# KiCad board mist.kicad_pcb (continued)
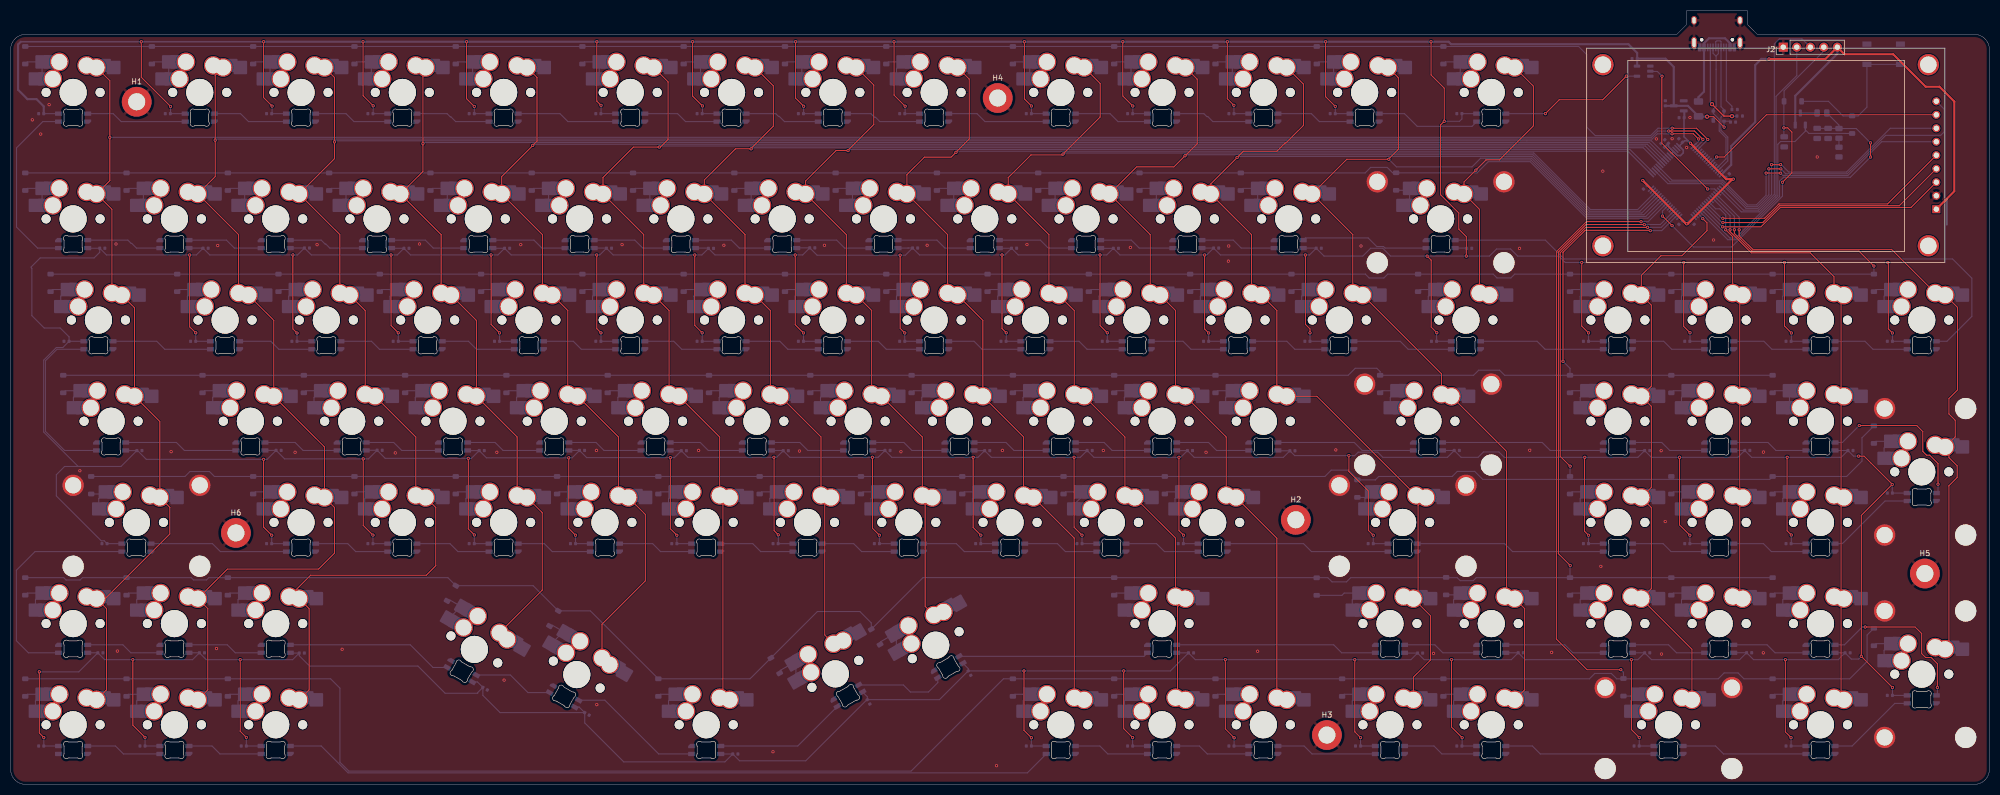
[diagram p0: board, top side]
## Routing (per net, layer and track width the routed paths; a pad name or vN(x,y) marks a point on that pad's centre or on a via; arc(x,y) is an arc through that point) (continued)
GND: length 0.1
  Bottom w0.4: 325.72,125.87 R1.1 ; 308.38,135.26 U6.1 ; 324.77,127.03 R2.2
  vias: v1(4.09,125.12) v1(5.65,122.45) v1(7.24,127.99) v1(13.02,59.05) v1(19.82,101.74) v1(20.08,25.1) v1(30.18,62.65) v1(38.72,25.57) v1(38.95,101.46) v1(53.49,62.53) v1(57.63,101.63) v1(62.34,25.43) v1(72.34,62.41) v1(76.9,101.75) v1(91.43,62.53) v1(92.8,19.63) v1(95.94,101.63) v1(110.17,62.88) v1(110.24,15.02) v1(114.98,101.63) v1(129.38,62.88) v1(134.14,101.51) v1(143.37,6.14) v1(148.35,62.76) v1(153.05,101.51) v1(167.44,62.64) v1(172.36,101.51) v1(185.41,3.51) v1(186.52,62.88) v1(191.13,101.65) v1(205.49,62.88) v1(210.58,101.1) v1(224.81,62.53) v1(229.07,101.37) v1(229.02,98.52) v1(234.51,25.07) v1(249.22,62.97) v1(253.97,101.37) v1(267.59,24.67) v1(283.76,100.92) v1(285.69,62.91) v1(289.81,24.86) v1(299.06,41.04) v1(299.43,115.47) v1(309.5,121.53) v1(310.4,62.82) v1(310.46,24.54) v1(311.16,49.49) v1(312.46,121.57) v1(315.2,119.91) v1(315.82,125.57) v1(320.26,102.5) v1(329.64,62.56) v1(329.62,24.76) v1(339.75,118.13)
VBUS: length 17.8
  Bottom w0.4: J1.A4 318.46,130.44 317.42,129.4 F1.1 ; 323.36,138.8 323.36,139.53 322.41,140.48 319.39,140.48 318.46,139.55 318.46,138.8
BOOT0: length 60.3
  Top w0.2: v1(349.78,118.12) v1(349.78,120.79)
  Bottom w0.2: v1(349.78,120.79) 347.08,123.49 R8.2 ; R7.2 343.84,124.13 R8.2 ; U5.61 322.94,102.55 324.53,102.55 332.13,110.15 332.14,110.15 332.67,110.68 332.67,113.57 333.41,114.31 345.97,114.31 v1(349.78,118.12) ; R8.2 343.81,123.52 C120.2 C121.2
BOOT0_CHRG: length 47
  Bottom w0.2: U5.60 323.32,102.88 324.39,102.88 331.99,110.48 332,110.48 332.34,110.82 332.34,120.52 332.86,121.04 335.56,121.04 337.52,123 Q3.1 337.52,123.24 338.19,122.57 345.02,122.57 345.03,122.56 D40.2
col0: length 436.8
  Top w0.2: CH29.1 23.3,89.74 CH47.1 28.06,68.31 CH63.1 29.94,52.14 29.94,47.14 17.77,34.97 CH79.1 18.03,33.09 18.03,17.8 CH93.1 ; v1(311.82,123.02) 312.22,123.02 312.23,123.03 316.67,123.03 v1(318.25,121.44) ; CH29.1 19.05,108.28 CH15.1 18.66,113.68 v1(18.66,121.83) 18.66,132.48 CH1.1
  Bottom w0.2: v1(311.82,123.02) 309.74,123.02 308.56,121.83 v1(18.66,121.83) ; v1(318.25,121.44) 318.25,121.21 U5.34
col1: length 434.3
  Top w0.2: CH94.1 37.08,17.8 37.08,33.09 CH80.1 40.77,40.54 57.91,40.54 60.9,43.53 60.9,52.14 CH64.1 59.02,63.55 CH48.1 49.49,87.36 CH30.1 ; CH30.1 42.86,103.51 CH16.1 38.47,114.44 v1(38.47,121.3) 38.47,133.49 CH2.1 ; v1(312.45,122.5) 316.45,122.5 v1(317.44,121.51)
  Bottom w0.2: v1(317.44,121.51) 317.44,121.1 U5.33 ; v1(312.45,122.5) 312.44,122.49 309.68,122.49 308.69,121.5 38.67,121.5 v1(38.47,121.3)
col2: length 407.2
  Top w0.2: CH65.1 76.2,65.41 CH49.1 ; CH81.1 56.13,33.09 56.13,17.8 CH95.1 ; CH81.1 56.42,39.39 78.18,39.39 79.95,41.16 79.95,52.14 CH65.1 ; CH31.1 61.91,103.51 CH17.1 60.9,117.82 v1(60.9,120.98) 60.9,133.11 CH3.1 ; CH49.1 66.68,89.23 CH31.1
  Bottom w0.2: U5.26 308.56,121.18 61.1,121.18 v1(60.9,120.98)
col3: length 355.6
  Top w0.2: CH32.1 87.59,87.36 CH50.1 95.25,65.41 CH66.1 ; CH32.1 80.96,103.51 CH18.1 77.54,115.41 v1(77.54,120.65) 77.54,134.46 CH4.1 ; CH82.1 99.98,36.58 99.98,51.16 CH66.1
  Bottom w0.2: v1(77.54,120.65) 77.74,120.85 308.18,120.85 U5.25
col4: length 340
  Top w0.2: CH83.1 111.21,30.17 119.36,38.32 119.36,50.83 CH67.1 ; CH33.1 104.78,89.23 CH51.1 ; CH51.1 114.3,65.41 CH67.1 ; 100.01,92.51 100.01,103.51 CH19.1 92.35,114.46 98.19,120.29 v1(98.19,120.32) 99,121.13 99,133.11 CH5.1
  Bottom w0.2: U5.24 307.8,120.52 98.39,120.52 v1(98.19,120.32)
col5: length 325
  Top w0.2: CH84.1 133.95,16.91 133.95,52.76 CH68.1 ; CH68.1 133.35,65.41 CH52.1 ; CH34.1 123.83,89.23 CH52.1 ; CH34.1 119.06,103.51 CH20.1 111.4,114.28 117.12,120 v1(121.99,120) 122.18,120 123.64,121.45 123.64,132.28 CH6.1
  Bottom w0.2: U5.23 307.42,120.2 122.19,120.2 v1(121.99,120)
col6: length 297
  Top w0.2: CH53.1 142.88,89.23 CH35.1 ; CH53.1 152.4,65.41 CH69.1 ; CH7.1 143.43,131.54 143.43,123.92 139.26,119.75 v1(139.26,119.67) 136.31,119.67 130.45,113.82 CH21.1 138.11,103.51 CH35.1 ; CH69.1 153.1,52.86 153.1,28.13 CH85.1
  Bottom w0.2: v1(139.26,119.67) 139.46,119.87 307.04,119.87 U5.22
col7: length 272
  Top w0.2: CH54.1 161.93,89.23 CH36.1 ; CH70.1 171.45,65.41 CH54.1 ; CH70.1 171.98,52.69 171.98,33.53 CH86.1 ; CH8.1 162.33,131.69 162.33,124.26 157.49,119.42 v1(157.49,119.34) 155.23,119.34 149.5,113.62 CH22.1 157.16,103.51 CH36.1
  Bottom w0.2: v1(157.49,119.34) 157.69,119.54 304.54,119.54 U5.18
col8: length 270.7
  Top w0.2: CH71.1 190.5,65.41 CH55.1 182.84,87.36 CH37.1 ; CH37.1 176.21,103.51 CH23.1 168.55,114.81 171.85,118.1 176.86,118.1 v1(177.78,119.01) 177.78,119.03 180.27,121.52 180.27,132.8 CH9.1 ; CH96.1 200.03,46.36 CH71.1
  Bottom w0.2: U5.17 304.16,119.21 177.98,119.21 v1(177.78,119.01)
col9: length 257.6
  Top w0.2: CH38.1 200.03,89.23 CH56.1 ; CH97.1 219.45,16.68 219.45,33.48 CH87.1 ; CH56.1 209.55,65.41 CH72.1 ; CH87.1 219.08,46.36 CH72.1 ; 195.26,92.51 195.26,103.51 CH24.1 187.6,114.24 191.89,118.52 197.75,118.52 v1(197.92,118.69) 197.92,118.69 204.9,125.67 204.9,131.98 CH10.1
  Bottom w0.2: U5.14 305.99,108.24 297.09,108.24 286.43,118.89 198.12,118.89 v1(197.92,118.69)
col10: length 234.6
  Top w0.2: CH11.1 223.15,132.78 223.15,120.62 220.89,118.36 v1(220.86,118.36) 218.77,116.27 211.75,116.27 CH25.1 214.31,103.51 CH39.1 ; CH57.1 228.6,65.41 CH73.1 ; CH39.1 219.08,89.23 CH57.1 ; CH98.1 238.13,46.36 CH73.1
  Bottom w0.2: v1(220.86,118.36) 221.06,118.56 286.3,118.56 296.95,107.91 306.38,107.91 309.55,111.09 U5.13
col11: length 236.7
  Top w0.2: CH58.1 245.65,73.07 CH74.1 ; CH40.1 238.13,89.23 CH58.1 ; CH12.1 243.13,131.85 243.13,124.07 239.85,120.79 239.71,120.79 238.14,119.22 231.84,119.22 v1(230.65,118.03) 230.65,118.01 225.7,113.07 CH26.1 233.36,103.51 233.36,92.51 ; CH74.1 264.69,52.53 264.69,35.86 CH88.1 267.04,31.74 267.04,23.42 263.8,20.19 CH99.1
  Bottom w0.2: 309.91,110.74 U5.12 306.75,107.58 296.82,107.58 286.16,118.23 230.85,118.23 v1(230.65,118.03)
col12: length 203.4
  Top w0.2: 252.41,92.51 252.41,103.51 CH27.1 251.29,117.71 v1(259.18,117.71) 259.18,117.78 260.98,119.58 260.98,133.05 CH13.1 ; CH59.1 281.33,62.69 281.33,35.7 CH89.1 ; CH59.1 269.08,77.32 CH41.1 ; CH89.1 284.73,33.09 284.73,17.8 CH100.1
  Bottom w0.2: U5.11 307.13,107.25 296.68,107.25 286.03,117.91 276.45,117.91 274.82,116.27 260.61,116.27 v1(259.18,117.71)
col13: length 93.5
  Top w0.2: CH42.1 276.23,108.28 CH28.1 273.33,113.44 v1(275.56,115.67) 277.48,117.59 279.97,117.59 286.37,123.99 286.37,131.47 CH14.1
  Bottom w0.2: U5.10 307.51,106.93 296.54,106.93 285.89,117.58 277.47,117.58 v1(275.56,115.67)
col14: length 108.4
  Top w0.2: CH101.1 316.19,25.45 CH90.1 308.55,36.85 308.55,52.14 CH75.1 308.55,55.9 308.55,71.19 CH60.1 308.55,74.95 308.55,90.24 CH43.1 306.67,95.84 310.37,99.54 314.31,99.54 319.02,104.25 319.02,105.73 v1(318.23,106.51)
  Bottom w0.2: v1(318.23,106.51) 318.23,106.55 U5.62
col15: length 78
  Top w0.2: CH44.1 325.19,91.59 325.19,73.6 CH61.1 325.19,72.54 325.19,54.55 CH76.1 325.19,53.49 325.19,35.5 CH91.1 ; CH44.1 323.85,103.11 v1(322.54,104.42)
  Bottom w0.2: U5.56 320.66,108.37 321.43,108.37 322.54,107.26 v1(322.54,104.42)
col16: length 111.8
  Top w0.2: v1(323.36,104.42) 323.36,104.08 327.36,100.08 338.42,100.08 342.9,95.6 CH45.1 ; CH45.1 344.24,91.59 344.24,73.6 CH62.1 344.24,72.54 344.24,54.55 CH77.1 344.24,53.49 344.24,35.5 CH92.1 344.24,34.44 344.24,16.45 CH102.1
  Bottom w0.2: U5.54 323.36,107.08 v1(323.36,104.42)
col17: length 122.4
  Top w0.2: CH46.1 353.72,100.74 327.63,100.74 325.07,103.3 v1(325.07,104.42) ; CH103.1 364.51,26.14 364.51,56.22 366.07,57.78 366.07,59.97 364.51,61.53 364.51,62.85 CH78.1 365.7,65.43 365.7,68.56 364.52,69.74 364.52,72.66 366.14,74.28 366.14,89.8 CH46.1
  Bottom w0.2: U5.52 325.07,106.79 v1(325.07,104.42)
D+: length 28.1
  Bottom w0.2: U2.3 322.22,127.04 321.66,127.6 J1.B6 321.66,139.83 321.64,139.85 321.51,139.99 320.88,140 320.66,139.83 320.66,139.83 J1.A6 ; U5.46 322.93,117.4 322.93,121.87 321.64,123.16 321.64,125.61 322.22,126.19 322.22,126.72
D-: length 26.6
  Bottom w0.2: U5.45 322.6,117.78 322.6,121.74 321.31,123.03 321.31,125.23 320.22,126.32 U2.2 320.22,127.16 320.74,127.68 320.74,134.65 320.74,137.16 ; 320.74,137.16 320.66,137.16 320.16,137.66 320.16,138.62 ; 320.74,137.16 321.16,137.58 321.16,138.62
DOut1: length 34.4
  Bottom w0.2: LED15.3 5.06,100.98 1.11,104.93 1.11,119.85 6.05,124.79 LED1.2
DOut2: length 116
  Bottom w0.2: LED46.3 364.15,83.43 368.83,88.11 368.83,95.31 365.21,98.93 292.16,98.93 288.61,102.48 LED28.2
DOut3: length 32.5
  Bottom w0.2: LED47.3 10.14,62.88 6.54,66.48 6.54,79.74 8.73,81.93 LED29.2
DOut4: length 31.6
  Top w0.2: v1(347.65,67.57) 358.46,67.57 359.61,66.42 359.61,62.67 360.3,61.98 360.9,61.98 362.47,60.41 v1(362.47,56.51)
  Bottom w0.2: v1(362.47,56.51) 362.47,55.19 LED78.3 ; v1(347.65,67.57) 344.47,64.38 LED62.2
DOut5: length 43.5
  Bottom w0.2: LED79.3 3.34,24.78 1.08,27.04 1.08,40.32 4.59,43.83 LED63.2
DOut6: length 31.8
  Top w0.2: v1(362.35,18.23) 362.35,22.73 361.2,23.88 360.14,23.88 359.4,24.62 359.4,28.39 358.16,29.63 v1(348.77,29.63)
  Bottom w0.2: LED103.3 362.35,16.97 v1(362.35,18.23) ; LED92.2 344.87,26.28 348.22,29.63 v1(348.77,29.63)
LCD_BL_PWM: length 46.2
  Top w0.2: U4.8 330.2,126.08 322.25,118.13 v1(320.83,118.13)
  Bottom w0.2: v1(320.83,118.13) U5.42
LCD_CS: length 48.8
  Top w0.2: U4.3 357.41,108.64 332.83,108.64 329.17,104.98 v1(321.96,104.98)
  Bottom w0.2: U5.59 321.93,104.98 v1(321.96,104.98)
LCD_DC: length 49.2
  Top w0.2: U4.5 352.98,109.3 332.56,109.3 329.85,106.59 v1(322,106.59)
  Bottom w0.2: U5.57 321.73,106.59 v1(322,106.59)
LCD_MISO: length 72.9
  Top w0.2: v1(330.65,115.89) v1(332.91,115.89)
  Bottom w0.2: v1(330.65,115.89) 330.66,115.88 330.66,110.99 328.45,108.78 326.5,108.78 321.84,113.44 312.05,113.44 U5.20 ; v1(332.91,115.89) 333.84,114.97 345.38,114.97 352.62,122.21 362.97,122.21 363.63,122.87 363.63,127.14 U4.9
LCD_MOSI: length 63
  Top w0.2: v1(330.13,115.1) 332.86,115.1 v1(332.87,115.09)
  Bottom w0.2: v1(332.87,115.09) 333.32,114.64 345.52,114.64 351.88,121 U4.6 ; v1(330.13,115.1) 330.13,115.1 330.13,110.93 328.31,109.11 326.64,109.11 321.98,113.76 312.43,113.76 U5.21
LCD_RST: length 50.4
  Top w0.2: U4.4 355.2,108.97 332.7,108.97 329.52,105.79 v1(322.01,105.79)
  Bottom w0.2: U5.58 318.14,109.47 321.82,105.79 v1(322.01,105.79)
LCD_SCK: length 66.6
  Top w0.2: v1(331.16,116.69) v1(332.87,116.69) ; 362.15,123.54 U4.7
  Bottom w0.2: v1(331.16,116.69) 331.18,116.67 331.18,111.05 328.58,108.45 326.36,108.45 321.71,113.11 311.67,113.11 U5.19 ; v1(332.87,116.69) 332.99,116.69 334.39,115.29 345.24,115.29 353.49,123.54 U4.7
NRST: length 66.1
  Top w0.2: v1(312.46,105.2) v1(310.65,107.01) ; v1(333.22,113.37) 334.99,115.14 334.99,122.83 334.2,123.62 v1(333.48,123.62) 333.42,123.56
  Bottom w0.2: J2.4 340.99,138.07 333.52,130.6 D41.2 333.48,128.57 v1(333.48,123.62) 333.48,121.99 C130.2 ; v1(333.22,113.37) 333.22,110.77 323.63,101.18 316.49,101.18 312.47,105.2 v1(312.46,105.2) ; v1(310.65,107.01) 310.65,107.94 U5.7 ; U5.7 311.67,108.97 ; U5.7 311.68,108.98
RGB3.3: length 29.6
  Top w0.2: v1(319.14,112.11) 310.53,120.72 310.53,133.3 v1(310.57,133.34)
  Bottom w0.2: 308.36,134.23 309.68,134.23 v1(310.57,133.34) ; U5.51 320.45,112.11 v1(319.14,112.11)
RGB5v: length 27.4
  Top w0.2: v1(303.85,133.36) 299.4,128.91 291.24,128.91 v1(288.62,126.29)
  Bottom w0.2: v1(303.85,133.36) 305.68,133.36 305.67,133.37 ; v1(288.62,126.29) 281.17,126.29
row0: length 335.6
  Top w0.2: v1(312.47,123.55) 317.04,123.55 v1(319.17,121.43)
  Bottom w0.2: v1(319.17,121.43) 319.17,121.42 U5.35 ; D1.1 D2.1 D3.1 D4.1 D5.1 D6.1 D7.1 D14.1 294.88,138.94 296.42,137.4 296.42,123.74 298,122.16 308.42,122.16 309.82,123.55 v1(312.47,123.55)
row1: length 315.6
  Bottom w0.2: U5.9 307.89,106.6 296.41,106.6 285.76,117.25 277.89,117.25 275.78,115.14 260.58,115.14 D28.1 259.89,115.16 258.88,116.17 255.77,116.17 254.73,115.13 D15.1
row2: length 383
  Top w0.2: v1(324.17,104.42) 324.17,103.73 327.49,100.41 347.6,100.41 v1(350.41,97.6)
  Bottom w0.2: v1(324.17,104.42) 324.17,106.98 U5.53 ; v1(350.41,97.6) D48.1 282.86,96.08 282.14,95.36 279.53,95.36 278.81,96.08 258.98,96.08 258.25,95.35 255.49,95.35 254.78,96.06 254.78,96.08 D29.1
row3: length 371.9
  Top w0.2: v1(308.36,104.27) 308.31,104.32 296.09,104.32 291.95,100.18 v1(291.95,79.65)
  Bottom w0.2: U5.2 310.51,104.27 v1(308.36,104.27) ; D62.1 293.26,78.34 v1(291.95,79.65) ; D64.1 280.97,77.03 280.01,77.99 276.08,77.99 275.12,77.03 D61.1 257.54,77.73 256.92,78.35 252.86,78.35 251.54,77.03 D49.1
row4: length 413.1
  Top w0.2: v1(307.84,104.89) 307.82,104.87 296.18,104.87 291.42,100.12 291.42,61.77 v1(293.28,59.91)
  Bottom w0.2: D80.1 348.17,65.26 348.17,60.87 345.28,57.98 D79.1 330.81,57.43 276.84,57.43 275.34,58.93 272.06,58.93 271.17,58.04 271.17,57.98 257.29,57.98 256.64,57.33 256.63,57.34 D76.1 253.27,57.49 251.59,59.17 248.36,59.17 247.17,57.98 38.32,57.98 37.39,58.91 33.72,58.91 32.79,57.98 D65.1 ; D77.1 293.26,59.89 v1(293.28,59.91) ; U5.3 310.42,104.89 v1(307.84,104.89)
row5: length 436.8
  Top w0.2: v1(307.23,105.41) 296.25,105.41 291.08,100.24 291.08,43.44 v1(293.3,41.22)
  Bottom w0.2: v1(307.23,105.41) 307.61,105.41 307.62,105.42 308.06,105.42 308.06,105.41 310.23,105.41 U5.4 ; D94.1 275.63,38.93 275.06,38.36 272.61,38.36 272.04,38.93 252.02,38.93 251.22,38.13 248.51,38.13 247.71,38.93 D89.1 207.52,38.94 171.59,38.94 D88.1 161.85,30.41 159.71,32.55 151.72,32.55 D87.1 139.05,19.88 D86.1 109.02,32.67 D85.1 98.26,37.41 D84.1 82.22,38.93 D83.1 37.27,38.93 36.83,38.49 34.4,38.49 33.96,38.93 13.51,38.93 13.06,38.48 10.43,38.48 9.98,38.93 D81.1 ; v1(293.3,41.22) 293.26,41.18 D92.1
row6: length 492.6
  Top w0.2: v1(302.82,21.59) 296.46,21.59 290.69,27.36 290.69,100.31 296.35,105.97 306.61,105.97 v1(306.63,105.95)
  Bottom w0.2: D103.1 303.31,21.1 v1(302.82,21.59) 302.79,21.56 ; D95.1 D97.1 60.17,19.88 61.93,18.12 61.93,4.17 63.6,2.5 169.34,2.5 186.72,19.88 D98.1 296.92,19.88 297.93,20.89 301.03,20.89 302.04,19.88 321.14,19.88 322.24,20.98 324.87,20.98 325.97,19.88 D104.1 345.86,19.88 349.13,23.15 349.13,28.12 D105.1 ; U5.8 307.95,105.95 v1(306.63,105.95)
SWCLK: length 43
  Bottom w0.2: J2.2 335.91,133.45 332.02,129.56 332.02,110.95 331.87,110.81 331.86,110.81 328.85,107.8 325.47,107.8 U5.50
SWD: length 48.9
  Bottom w0.2: J2.3 336.87,140.39 332.65,140.39 331.69,139.43 331.69,111.1 328.72,108.13 325.85,108.13 U5.49
Net-(D1-A): length 7.1
  Bottom w0.2: D1.2 3.14,136.04 5.92,136.04 5.92,134.08 CH1.2
Net-(D2-A): length 7.1
  Bottom w0.2: D2.2 26.96,136.04 29.73,136.04 29.73,134.08 CH2.2
Net-(D3-A): length 7.1
  Bottom w0.2: D3.2 46.01,136.04 48.78,136.04 48.78,134.08 CH3.2
Net-(D4-A): length 7.1
  Bottom w0.2: D4.2 65.06,136.04 67.83,136.04 67.83,134.08 CH4.2
Net-(D5-A): length 7.1
  Bottom w0.2: CH5.2 86.88,134.08 86.88,136.04 84.11,136.04 D5.2
Net-(D6-A): length 7.1
  Bottom w0.2: CH6.2 110.69,134.08 110.69,136.04 107.92,136.04 D6.2
Net-(D7-A): length 7.1
  Bottom w0.2: CH7.2 129.74,134.08 129.74,136.04 126.97,136.04 D7.2
Net-(D8-A): length 7.1
  Bottom w0.2: D8.2 146.02,136.04 148.79,136.04 148.79,134.08 CH8.2
Net-(D9-A): length 7.1
  Bottom w0.2: CH9.2 166.59,134.78 167.84,136.03 167.84,136.04 165.07,136.04 D9.2
Net-(D10-A): length 7.1
  Bottom w0.2: D10.2 188.88,136.04 191.65,136.04 191.65,134.08 CH10.2
Net-(D11-A): length 7.1
  Bottom w0.2: D11.2 207.93,136.04 210.7,136.04 210.7,134.08 CH11.2
Net-(D12-A): length 7.1
  Bottom w0.2: CH12.2 229.75,134.08 229.75,136.04 226.98,136.04 D12.2
Net-(D13-A): length 7.1
  Bottom w0.2: CH13.2 248.8,134.08 248.8,136.04 246.03,136.04 D13.2
Net-(D14-A): length 7.1
  Bottom w0.2: CH14.2 272.62,134.08 272.62,136.04 269.84,136.04 D14.2
Net-(D15-A): length 7.1
  Bottom w0.2: CH15.2 5.92,110.27 CH15.2 3.14,112.22 D15.2
Net-(D16-A): length 7.1
  Bottom w0.2: D16.2 22.19,112.22 CH16.2 24.97,110.27 CH16.2
Net-(D17-A): length 7.1
  Bottom w0.2: CH17.2 44.02,110.27 CH17.2 41.24,112.22 D17.2
Net-(D18-A): length 7.1
  Bottom w0.2: D18.2 60.29,112.22 CH18.2 63.07,110.27 CH18.2
Net-(D19-A): length 7.1
  Bottom w0.2: D19.2 79.34,112.22 CH19.2 82.12,110.27 CH19.2
Net-(D20-A): length 7.1
  Bottom w0.2: CH20.2 101.17,110.27 CH20.2 98.39,112.22 D20.2
Net-(D21-A): length 7.1
  Bottom w0.2: D21.2 117.44,112.22 CH21.2 120.22,110.27 CH21.2
Net-(D22-A): length 7.1
  Bottom w0.2: CH22.2 139.27,110.27 CH22.2 136.49,112.22 D22.2
Net-(D23-A): length 7.1
  Bottom w0.2: CH23.2 158.32,110.27 CH23.2 155.54,112.22 D23.2
Net-(D24-A): length 7.1
  Bottom w0.2: D24.2 174.59,112.22 CH24.2 177.37,110.27 CH24.2
Net-(D25-A): length 7.1
  Bottom w0.2: CH25.2 196.42,110.27 CH25.2 193.64,112.22 D25.2
Net-(D26-A): length 7.1
  Bottom w0.2: D26.2 212.69,112.22 CH26.2 215.47,110.27 CH26.2
Net-(D27-A): length 7.1
  Bottom w0.2: CH27.2 234.52,110.27 CH27.2 231.74,112.22 D27.2
Net-(D28-A): length 6.4
  Bottom w0.2: D28.2 262.73,111.86 CH28.2 263.09,110.27 CH28.2
Net-(D29-A): length 7.1
  Bottom w0.2: D29.2 7.91,93.17 CH29.2 9.43,91.92 CH29.2
Net-(D30-A): length 7.1
  Bottom w0.2: D30.2 31.72,93.17 CH30.2 33.24,91.92 CH30.2
Net-(D31-A): length 7.1
  Bottom w0.2: D31.2 50.77,93.17 CH31.2 52.29,91.92 CH31.2
Net-(D32-A): length 7.1
  Bottom w0.2: CH32.2 71.34,91.92 CH32.2 69.82,93.17 D32.2
Net-(D33-A): length 7.1
  Bottom w0.2: CH33.2 90.39,91.92 CH33.2 88.87,93.17 D33.2
Net-(D34-A): length 7.1
  Bottom w0.2: D34.2 107.92,93.17 CH34.2 109.44,91.92 CH34.2
Net-(D35-A): length 7.1
  Bottom w0.2: CH35.2 128.49,91.92 CH35.2 126.97,93.17 D35.2
Net-(D36-A): length 7.1
  Bottom w0.2: D36.2 146.02,93.17 CH36.2 147.54,91.92 CH36.2
Net-(D37-A): length 7.1
  Bottom w0.2: D37.2 165.07,93.17 CH37.2 166.59,91.92 CH37.2
Net-(D38-A): length 7.1
  Bottom w0.2: CH38.2 185.64,91.92 CH38.2 184.12,93.17 D38.2
Net-(D39-A): length 7.1
  Bottom w0.2: D39.2 203.17,93.17 CH39.2 204.69,91.92 CH39.2
Net-(D40-K): length 28.5
  Bottom w0.2: 355.4,135.57 349.1,135.57 349.1,127.52 347.44,125.86 D40.1 344.62,125.86 341.87,128.61 D41.1
Net-(D42-A): length 7.1
  Bottom w0.2: CH40.2 223.74,91.92 CH40.2 222.22,93.17 D42.2
Net-(D43-A): length 7.1
  Bottom w0.2: D43.2 241.27,93.17 CH41.2 242.79,91.92 CH41.2
Net-(D44-A): length 7.1
  Bottom w0.2: D44.2 265.08,93.17 267.85,93.17 266.6,91.92 CH42.2
Net-(D45-A): length 7.1
  Bottom w0.2: D45.2 293.66,93.17 CH43.2 295.18,91.92 CH43.2
Net-(D46-A): length 7.1
  Bottom w0.2: CH44.2 314.23,91.92 CH44.2 312.71,93.17 D46.2
Net-(D47-A): length 7.1
  Bottom w0.2: CH45.2 333.28,91.92 CH45.2 331.76,93.17 D47.2
Net-(D48-A): length 7.1
  Bottom w0.2: D48.2 350.81,93.17 CH46.2 352.33,91.92 CH46.2
Net-(D49-A): length 7.1
  Bottom w0.2: D49.2 10.29,74.12 CH47.2 11.81,72.87 CH47.2
Net-(D50-A): length 7.1
  Bottom w0.2: D50.2 36.48,74.12 CH48.2 38,72.87 CH48.2
Net-(D51-A): length 7.1
  Bottom w0.2: D51.2 55.53,74.12 CH49.2 57.05,72.87 CH49.2
Net-(D52-A): length 7.1
  Bottom w0.2: D52.2 74.58,74.12 CH50.2 76.1,72.87 CH50.2
Net-(D53-A): length 7.1
  Bottom w0.2: CH51.2 95.15,72.87 CH51.2 93.63,74.12 D53.2
Net-(D54-A): length 7.1
  Bottom w0.2: CH52.2 114.2,72.87 CH52.2 112.68,74.12 D54.2
Net-(D55-A): length 7.1
  Bottom w0.2: D55.2 131.73,74.12 CH53.2 133.25,72.87 CH53.2
Net-(D56-A): length 7.1
  Bottom w0.2: D56.2 150.78,74.12 CH54.2 152.3,72.87 CH54.2
Net-(D57-A): length 7.1
  Bottom w0.2: CH55.2 171.35,72.87 172.6,74.12 169.83,74.12 D57.2
Net-(D58-A): length 7.1
  Bottom w0.2: D58.2 188.88,74.12 CH56.2 190.4,72.87 CH56.2
Net-(D59-A): length 7.1
  Bottom w0.2: CH57.2 209.45,72.87 210.7,74.12 207.93,74.12 D59.2
Net-(D60-A): length 7.1
  Bottom w0.2: CH58.2 228.5,72.87 CH58.2 226.98,74.12 D60.2
Net-(D61-A): length 7.1
  Bottom w0.2: D61.2 257.94,74.12 CH59.2 259.46,72.87 CH59.2
Net-(D62-A): length 7.1
  Bottom w0.2: D62.2 293.66,74.12 CH60.2 295.18,72.87 CH60.2
Net-(D63-A): length 7.1
  Bottom w0.2: D63.2 312.71,74.12 CH61.2 314.23,72.87 CH61.2
Net-(D64-A): length 7.1
  Bottom w0.2: CH62.2 334.53,72.17 CH62.2 331.76,74.12 D64.2
Net-(D65-A): length 6.6
  Bottom w0.2: CH63.2 16.57,53.82 CH63.2 17.43,54.68 D65.2
Net-(D66-A): length 7.1
  Bottom w0.2: D66.2 46.01,55.07 CH64.2 47.53,53.82 CH64.2
Net-(D67-A): length 7.1
  Bottom w0.2: CH65.2 66.58,53.82 CH65.2 65.06,55.07 D67.2
Net-(D68-A): length 7.1
  Bottom w0.2: CH66.2 85.63,53.82 CH66.2 84.11,55.07 D68.2
Net-(D69-A): length 7.1
  Bottom w0.2: CH67.2 104.68,53.82 CH67.2 103.16,55.07 D69.2
Net-(D70-A): length 7.1
  Bottom w0.2: D70.2 122.21,55.07 CH68.2 123.73,53.82 CH68.2
Net-(D71-A): length 7.1
  Bottom w0.2: D71.2 141.26,55.07 CH69.2 142.78,53.82 CH69.2
Net-(D72-A): length 7.1
  Bottom w0.2: D72.2 160.31,55.07 CH70.2 161.83,53.82 CH70.2
Net-(D73-A): length 7.1
  Bottom w0.2: CH71.2 180.88,53.82 CH71.2 179.36,55.07 D73.2
Net-(D74-A): length 7.6
  Bottom w0.2: 202.37,55.09 199.93,52.64 CH72.2 ; CH72.2 198.41,55.07 D74.2
Net-(D75-A): length 7.1
  Bottom w0.2: CH73.2 218.98,53.82 CH73.2 217.46,55.07 D75.2
Net-(D76-A): length 6.8
  Bottom w0.2: D76.2 254.91,54.04 CH74.2 254.69,53.82 CH74.2
Net-(D77-A): length 7.1
  Bottom w0.2: D77.2 293.66,55.07 CH75.2 295.18,53.82 CH75.2
Net-(D78-A): length 7.1
  Bottom w0.2: CH76.2 314.23,53.82 CH76.2 312.71,55.07 D78.2
Net-(D79-A): length 7.1
  Bottom w0.2: CH77.2 333.28,53.82 CH77.2 331.76,55.07 D79.2
Net-(D80-A): length 7.1
  Bottom w0.2: D80.2 350.81,64.6 CH78.2 352.33,63.35 CH78.2
Net-(D81-A): length 7.1
  Bottom w0.2: D81.2 3.14,36.02 CH79.2 4.66,34.77 CH79.2
Net-(D82-A): length 7.1
  Bottom w0.2: D82.2 22.19,36.02 CH80.2 23.71,34.77 CH80.2
Net-(D83-A): length 7.1
  Bottom w0.2: D83.2 41.24,36.02 CH81.2 42.76,34.77 CH81.2
Net-(D84-A): length 6.9
  Bottom w0.2: D84.2 82.63,34.7 CH82.2 84.49,33.31 CH82.2
Net-(D85-A): length 6.9
  Bottom w0.2: D85.2 101.89,29.96 CH83.2 103.75,28.57 CH83.2
Net-(D86-A): length 7.1
  Bottom w0.2: CH84.2 123.73,15.72 CH84.2 122.21,16.97 D86.2
Net-(D87-A): length 6.9
  Bottom w0.2: CH85.2 147.69,22.35 CH85.2 144.77,21.48 D87.2
Net-(D88-A): length 6.9
  Bottom w0.2: D88.2 163.65,26.88 CH86.2 166.57,27.75 CH86.2
Net-(D89-A): length 3.3
  Bottom w0.2: 210.7,36.02 207.93,36.02 D89.2
Net-(D90-A): length 11.8
  Bottom w0.2: CH88.2 252.31,34.77 CH88.2 250.79,36.02 250.37,35.6 D90.2
Net-(D91-A): length 6.5
  Bottom w0.2: CH89.2 271.36,34.77 CH89.2 272.27,35.68 D91.2
Net-(D92-A): length 7.1
  Bottom w0.2: D92.2 293.66,36.02 CH90.2 295.18,34.77 CH90.2
Net-(D93-A): length 7.1
  Bottom w0.2: D93.2 312.71,36.02 CH91.2 314.23,34.77 CH91.2
Net-(D94-A): length 7.1
  Bottom w0.2: D94.2 331.76,36.02 CH92.2 333.28,34.77 CH92.2
Net-(D95-A): length 7.1
  Bottom w0.2: D95.2 3.14,16.97 CH93.2 4.66,15.72 CH93.2
Net-(D96-A): length 7.1
  Bottom w0.2: D96.2 22.19,16.97 CH94.2 23.71,15.72 CH94.2
Net-(D97-A): length 7.1
  Bottom w0.2: CH95.2 42.76,15.72 CH95.2 41.24,16.97 D97.2
Net-(D98-A): length 7.1
  Bottom w0.2: D98.2 188.88,16.97 CH96.2 190.4,15.72 CH96.2
Net-(D99-A): length 7.1
  Bottom w0.2: CH97.2 209.45,15.72 210.7,16.97 207.93,16.97 D99.2
Net-(D100-A): length 7.1
  Bottom w0.2: D100.2 226.98,16.97 CH98.2 228.5,15.72 CH98.2
Net-(D101-A): length 7.1
  Bottom w0.2: CH99.2 252.31,15.72 CH99.2 250.79,16.97 D101.2
Net-(D102-A): length 7.1
  Bottom w0.2: CH100.2 271.36,15.72 CH100.2 269.84,16.97 D102.2
Net-(D103-A): length 6.5
  Bottom w0.2: D103.2 305.61,16.63 CH101.2 304.7,15.72 CH101.2
Net-(D104-A): length 7.1
  Bottom w0.2: D104.2 331.76,16.97 CH102.2 333.28,15.72 CH102.2
Net-(D105-A): length 7.1
  Bottom w0.2: D105.2 350.81,26.5 CH103.2 352.33,25.25 CH103.2
Net-(J1-CC1): length 16.4
  Top w0.25: v2(319.97,128.07) 322.22,125.82 v2(323.72,125.82)
  Bottom w0.25: v2(323.72,125.82) 324.59,125.82 ; v2(319.97,128.07) 319.66,128.38 J1.A5
Net-(J1-CC2): length 12.1
  Bottom w0.2: R2.1 323.71,127.69 322.66,128.74 J1.B5
Net-(LED1-DIN): length 19
  Bottom w0.2: LED1.3 19.29,126.29 20.79,124.79 LED2.2
Net-(LED2-DIN): length 14.2
  Bottom w0.2: LED3.2 44.74,124.79 43.24,126.29 LED2.3
Net-(LED3-DIN): length 14.2
  Bottom w0.2: LED4.2 64.57,124.79 63.07,126.29 LED3.3
Net-(LED4-DIN): length 14.2
  Bottom w0.2: LED5.2 83.7,124.79 82.8,125.69 82.68,125.69 82.08,126.29 LED4.3
Net-(LED5-DIN): length 19
  Bottom w0.2: LED6.2 104.81,124.79 103.31,126.29 LED5.3
Net-(LED6-DIN): length 14.2
  Bottom w0.2: LED6.3 125.43,126.29 126.93,124.79 LED7.2
Net-(LED7-DIN): length 14.2
  Bottom w0.2: LED7.3 143.9,126.29 144.41,125.78 144.54,125.78 145.53,124.79 LED8.2
Net-(LED8-DIN): length 14.2
  Bottom w0.2: LED8.3 161.79,126.29 162.48,125.6 162.67,125.6 163.48,124.79 LED9.2
Net-(LED10-DIN): length 14.2
  Bottom w0.2: LED11.2 208.26,124.79 206.76,126.29 LED10.3
Net-(LED10-DOUT): length 19
  Bottom w0.2: LED9.3 181.74,126.29 183.24,124.79 LED10.2
Net-(LED11-DIN): length 14.2
  Bottom w0.2: LED11.3 224.41,126.29 224.96,125.74 225.15,125.74 226.1,124.79 LED12.2
Net-(LED12-DIN): length 14.2
  Bottom w0.2: LED13.2 246.12,124.79 244.62,126.29 LED12.3
Net-(LED13-DIN): length 19.7
  Bottom w0.2: LED14.2 274.83,123.9 264.52,123.9 262.13,126.29 LED13.3
Net-(LED15-DOUT): length 14.2
  Bottom w0.2: LED15.2 22.04,102.48 22.66,101.86 22.78,101.86 23.66,100.98 LED16.3
Net-(LED16-DOUT): length 14.2
  Bottom w0.2: LED17.3 42.08,100.98 40.58,102.48 LED16.2
Net-(LED17-DOUT): length 14.2
  Bottom w0.2: LED18.3 60.03,100.98 59.28,101.73 59.15,101.73 58.4,102.48 LED17.2
Net-(LED18-DOUT): length 14.2
  Bottom w0.2: LED18.2 77.98,102.48 79.48,100.98 LED19.3
Net-(LED19-DOUT): length 14.2
  Bottom w0.2: LED19.2 98.41,102.48 99.91,100.98 LED20.3
Net-(LED20-DOUT): length 14.2
  Bottom w0.2: LED20.2 117.38,102.48 118.88,100.98 LED21.3
Net-(LED21-DOUT): length 14.2
  Bottom w0.2: LED21.2 135.54,102.48 137.04,100.98 LED22.3
Net-(LED22-DOUT): length 14.2
  Bottom w0.2: 147.82,102.48 155.34,102.48 156.84,100.98 LED23.3
Net-(LED23-DOUT): length 14.2
  Bottom w0.2: 180.47,100.98 175.7,100.98 174.2,102.48 LED23.2
Net-(LED24-DOUT): length 14.2
  Bottom w0.2: LED24.2 193.64,102.48 195.14,100.98 LED25.3
Net-(LED25-DOUT): length 14.2
  Bottom w0.2: LED25.2 210.75,102.48 212.25,100.98 LED26.3
Net-(LED26-DOUT): length 14.2
  Bottom w0.2: LED26.2 229.93,102.48 231.43,100.98 237.62,100.98
Net-(LED27-DOUT): length 24.1
  Bottom w0.2: LED27.2 243.48,102.89 255.3,102.89 256.92,101.27 258.18,101.27 258.47,100.98 LED28.3
Net-(LED29-DIN): length 19
  Bottom w0.2: LED29.3 27.48,83.43 28.98,81.93 LED30.2
Net-(LED30-DIN): length 14.2
  Bottom w0.2: LED30.3 48.93,83.43 50.43,81.93 LED31.2
Net-(LED31-DIN): length 14.2
  Bottom w0.2: LED32.2 69.36,81.93 67.86,83.43 LED31.3
Net-(LED32-DIN): length 14.2
  Bottom w0.2: LED33.2 87.61,81.93 86.11,83.43 LED32.3
Net-(LED33-DIN): length 14.2
  Bottom w0.2: LED34.2 107.32,81.93 105.82,83.43 LED33.3
Net-(LED34-DIN): length 14.2
  Bottom w0.2: LED35.2 126.21,81.93 124.71,83.43 LED34.3
Net-(LED35-DIN): length 14.2
  Bottom w0.2: LED35.3 144.66,83.43 146.16,81.93 LED36.2
Net-(LED36-DIN): length 14.2
  Bottom w0.2: LED36.3 163.18,83.43 164.68,81.93 LED37.2
Net-(LED37-DIN): length 14.2
  Bottom w0.2: LED38.2 182.68,81.93 181.18,83.43 LED37.3
Net-(LED38-DIN): length 14.2
  Bottom w0.2: LED39.2 202.43,81.93 200.93,83.43 LED38.3
Net-(LED39-DIN): length 14.2
  Bottom w0.2: LED40.2 221.98,81.93 220.48,83.43 LED39.3
Net-(LED40-DIN): length 14.2
  Bottom w0.2: LED41.2 241.5,81.93 240,83.43 LED40.3
Net-(LED41-DIN): length 19
  Bottom w0.2: LED41.3 261.32,83.43 262.82,81.93 LED42.2
Net-(LED42-DIN): length 23.7
  Bottom w0.2: LED42.3 287.07,83.43 288.57,81.93 LED43.2
Net-(LED43-DIN): length 14.2
  Bottom w0.2: LED44.2 312.38,81.93 310.88,83.43 LED43.3
Net-(LED44-DIN): length 14.2
  Bottom w0.2: LED44.3 329.72,83.43 331.22,81.93 LED45.2
Net-(LED45-DIN): length 14.2
  Bottom w0.2: LED45.3 348.73,83.43 350.23,81.93 LED46.2
Net-(LED47-DOUT): length 21.4
  Bottom w0.2: LED47.2 31.17,64.38 32.67,62.88 LED48.3
Net-(LED48-DOUT): length 14.2
  Bottom w0.2: LED49.3 55,62.88 53.5,64.38 LED48.2
Net-(LED49-DOUT): length 14.2
  Bottom w0.2: LED49.2 72.04,64.38 73.54,62.88 LED50.3
Net-(LED50-DOUT): length 14.2
  Bottom w0.2: LED51.3 92.6,62.88 91.1,64.38 LED50.2
Net-(LED51-DOUT): length 14.2
  Bottom w0.2: LED52.3 111.58,62.88 110.08,64.38 LED51.2
Net-(LED52-DOUT): length 14.2
  Bottom w0.2: LED53.3 131.19,62.88 129.69,64.38 LED52.2
Net-(LED53-DOUT): length 14.2
  Bottom w0.2: LED54.3 149.91,62.88 148.41,64.38 LED53.2
Net-(LED54-DOUT): length 14.2
  Bottom w0.2: LED55.3 169.48,62.88 167.98,64.38 LED54.2
Net-(LED55-DOUT): length 14.2
  Bottom w0.2: LED55.2 187.18,64.38 188.68,62.88 LED56.3
Net-(LED56-DOUT): length 14.2
  Bottom w0.2: LED57.3 207.14,62.88 205.64,64.38 LED56.2
Net-(LED57-DOUT): length 14.2
  Bottom w0.2: LED58.3 226.78,62.88 225.28,64.38 LED57.2
Net-(LED58-DOUT): length 26.1
  Bottom w0.2: LED59.3 254.18,62.88 252.68,64.38 LED58.2
Net-(LED59-DOUT): length 30.9
  Bottom w0.2: LED60.3 289.53,62.88 288.03,64.38 LED59.2
Net-(LED60-DOUT): length 14.2
  Bottom w0.2: LED61.3 312.01,62.88 310.51,64.38 LED60.2
Net-(LED61-DOUT): length 14.2
  Bottom w0.2: LED62.3 331.98,62.88 330.48,64.38 LED61.2
Net-(LED63-DIN): length 26.1
  Bottom w0.2: LED63.3 37.95,45.33 39.45,43.83 LED64.2
Net-(LED64-DIN): length 14.2
  Bottom w0.2: LED65.2 64.9,43.83 63.4,45.33 LED64.3
Net-(LED65-DIN): length 14.2
  Bottom w0.2: LED65.3 82.62,45.33 84.12,43.83 LED66.2
Net-(LED66-DIN): length 14.2
  Bottom w0.2: LED67.2 101.86,43.83 100.36,45.33 LED66.3
Net-(LED67-DIN): length 14.2
  Bottom w0.2: LED68.2 122.23,43.83 120.73,45.33 LED67.3
Net-(LED68-DIN): length 14.2
  Bottom w0.2: LED69.2 141.06,43.83 139.56,45.33 LED68.3
Net-(LED69-DIN): length 14.2
  Bottom w0.2: LED70.2 160.04,43.83 158.54,45.33 LED69.3
Net-(LED70-DIN): length 14.2
  Bottom w0.2: LED70.3 177.85,45.33 179.35,43.83 LED71.2
Net-(LED71-DIN): length 14.2
  Bottom w0.2: LED71.3 196.86,45.33 198.36,43.83 LED72.2
Net-(LED72-DIN): length 14.2
  Bottom w0.2: LED72.3 215.49,45.33 216.99,43.83 LED73.2
Net-(LED73-DIN): length 30.9
  Bottom w0.2: LED73.3 243.14,45.33 244.64,43.83 LED74.2
Net-(LED74-DIN): length 35.7
  Bottom w0.2: LED75.2 282.45,43.83 280.95,45.33 LED74.3
Net-(LED75-DIN): length 14.2
  Bottom w0.2: LED76.2 312.26,43.83 310.76,45.33 LED75.3
Net-(LED76-DIN): length 14.2
  Bottom w0.2: LED76.3 329.63,45.33 331.13,43.83 LED77.2
Net-(LED77-DIN): length 16.9
  Bottom w0.2: LED78.2 352.5,53.35 344.48,45.33 LED77.3
Net-(LED79-DOUT): length 14.2
  Bottom w0.2: LED79.2 21.11,26.28 22.61,24.78 LED80.3
Net-(LED80-DOUT): length 14.2
  Bottom w0.2: LED81.3 42.24,24.78 40.74,26.28 LED80.2
Net-(LED81-DOUT): length 31.3
  Bottom w0.2: LED82.3 79.42,22.02 75.16,26.28 LED81.2
Net-(LED82-DOUT): length 15.2
  Bottom w0.2: LED83.3 97.29,17.28 93.98,20.59 LED82.2
Net-(LED83-DOUT): length 25.5
  Bottom w0.2: LED83.2 111.75,15.85 121.87,5.73 LED84.3
Net-(LED84-DOUT): length 25
  Bottom w0.2: LED84.2 148.02,7.23 LED85.3
Net-(LED85-DOUT): length 17.1
  Bottom w0.2: LED85.2 167.9,18.71 169.22,17.39 172.6,17.39 174.36,19.15 LED86.3
Net-(LED86-DOUT): length 35.8
  Bottom w0.2: LED86.2 213.14,24.11 LED87.3
Net-(LED87-DOUT): length 38
  Bottom w0.2: LED87.2 248.81,26.28 250.31,24.78 LED88.3
Net-(LED88-DOUT): length 14.2
  Bottom w0.2: LED88.2 267.84,26.28 269.34,24.78 LED89.3
Net-(LED89-DOUT): length 19
  Bottom w0.2: LED90.3 293.77,24.78 292.27,26.28 281.17,26.28
Net-(LED90-DOUT): length 14.2
  Bottom w0.2: LED90.2 311.79,26.28 313.29,24.78 LED91.3
Net-(LED91-DOUT): length 14.2
  Bottom w0.2: LED92.3 331.82,24.78 330.32,26.28 LED91.2
Net-(LED93-DIN): length 14.2
  Bottom w0.2: LED93.3 19.71,7.23 21.21,5.73 LED94.2
Net-(LED94-DIN): length 14.2
  Bottom w0.2: LED94.3 37.87,7.23 39.37,5.73 LED95.2
Net-(LED95-DIN): length 145.8
  Bottom w0.2: LED95.3 58.41,7.23 63.46,2.17 191.21,2.17 LED96.2
Net-(LED96-DIN): length 14.2
  Bottom w0.2: LED96.3 204.84,7.23 206.34,5.73 LED97.2
Net-(LED97-DIN): length 14.2
  Bottom w0.2: LED97.3 223.55,7.23 225.05,5.73 LED98.2
Net-(LED98-DIN): length 19
  Bottom w0.2: LED98.3 243.25,7.23 244.75,5.73 LED99.2
Net-(LED100-DIN): length 28.5
  Bottom w0.2: 281.17,7.23 286.17,7.23 287.67,5.73 LED101.2
Net-(LED100-DOUT): length 14.2
  Bottom w0.2: LED100.2 269.17,5.73 267.67,7.23 LED99.3
Net-(LED101-DIN): length 23.7
  Bottom w0.2: LED102.2 322.13,5.73 320.63,7.23 LED101.3
Net-(LED102-DIN): length 16.9
  Bottom w0.2: LED102.3 346.32,7.23 354.34,15.25 LED103.2
Net-(Q3-C): length 3.2
  Bottom w0.2: R7.1 Q3.3
Net-(R8-Pad1): length 1.7
  Bottom w0.2: R8.1 R9.1
unconnected-(U5-PA9-Pad43): length 0
  Bottom w0.2: U5.43 320.05,116.61
unconnected-(U5-PA10-Pad44): length 0.1
  Bottom w0.2: U5.44 320.41,116.21

## Copper pours and planes (outline as drawn; the poured copper is in the pictures)
GND on Top: -8.98,147.83 377.3,147.45 378.78,-6.63 -3.96,-14.52
GND on Bottom: -6.83,147.83 377.3,147.2 377.71,-6.27 -3.25,-12.37

## Text on the board
B.Silkscreen: GND | SWCLK | SWD | NRST | +3v3
